# KiCad board pcb.kicad_pcb (continued)
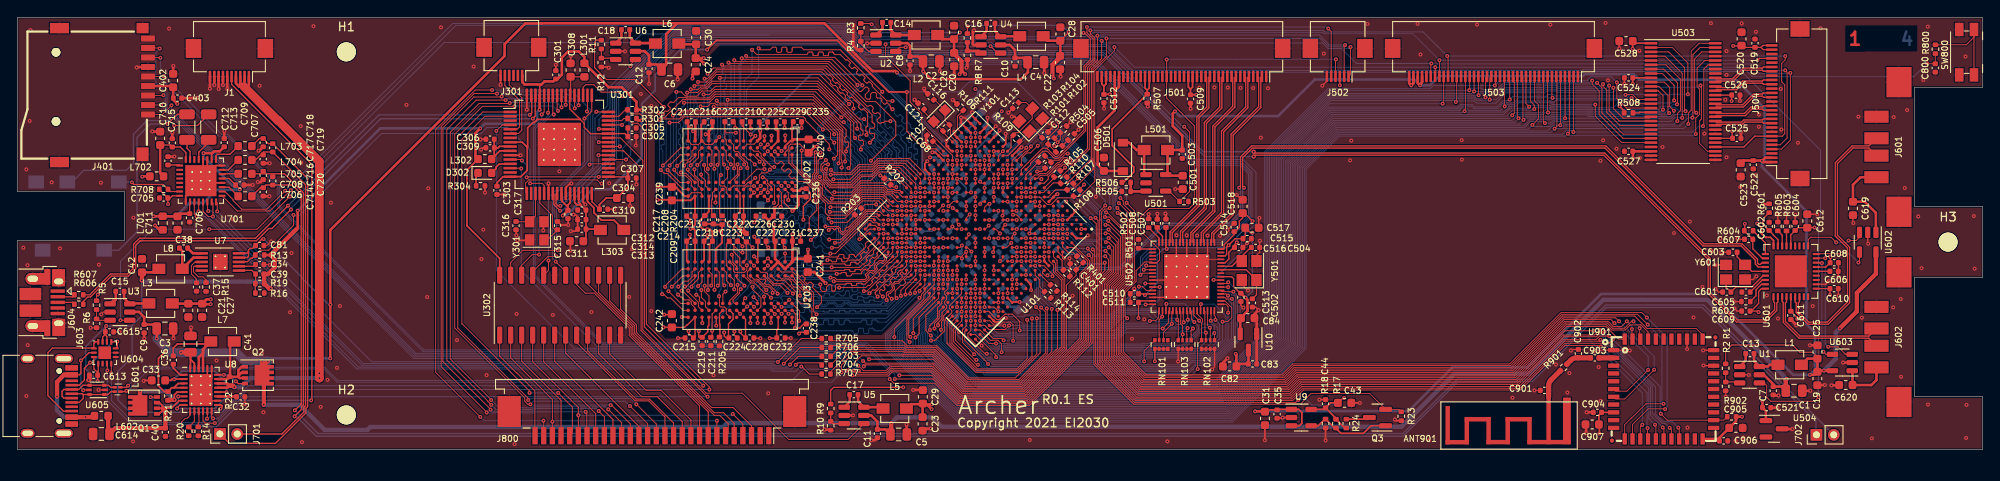
[diagram p0: board, top side]
## Routing (per net, layer and track width the routed paths; a pad name or vN(x,y) marks a point on that pad's centre or on a via; arc(x,y) is an arc through that point) (continued)
SPI_LCD_MISO: length 110.7
  Top w0.11: U301.40 69.58,35.05 v1(69.59,35.05) ; U502.23 130.47,21.2 v1(130.38,21.28)
  Bottom w0.11: v1(69.59,35.05) 69.46,35.18 69.46,41.14 75.97,47.65 95.28,47.65 97.9,45.03 124.35,45.03 136.03,33.34 141.36,33.34 142.61,32.09 142.61,26.91 139.46,23.75 132.09,23.75 130.38,22.04 v1(130.38,21.28)
SPI_LCD_MOSI: length 109.8
  Top w0.11: v1(130.11,20.79) 130.11,20.8 U502.24 ; v1(69.88,40.89) 69.43,41.34 67.44,41.34 66.58,42.2 65.64,42.2 65.35,41.91 U301.51
  Bottom w0.11: v1(130.11,20.79) 130,20.9 130,22.08 131.9,23.98 139.39,23.98 142.4,27 142.4,32 141.28,33.12 135.92,33.12 124.22,44.82 97.82,44.82 95.19,47.44 76.06,47.44 69.88,41.27 v1(69.88,40.89)
SPI_LCD_SCLK: length 109.1
  Top w0.11: v1(129.72,20.2) 129.92,20.4 U502.25 ; v1(69.84,37.54) 69.84,37.55 U301.45
  Bottom w0.11: v1(129.72,20.2) 129.72,22.24 131.72,24.24 139.35,24.24 142.19,27.08 142.19,31.91 141.22,32.88 135.86,32.88 124.18,44.56 97.78,44.56 95.1,47.23 76.14,47.23 70.45,41.54 70.45,38.15 v1(69.84,37.54)
UART1_RXD: length 118.9
  Top w0.1: v1(124.53,26.81) 124.81,26.53 124.81,22.55 124.82,22.54 124.82,20.77 123.94,19.88 123.94,12.4 116.83,5.29 108.65,5.29 105.78,8.16 v1(101.36,8.16) ; v1(60.57,38.76) 60.85,39.05 U301.60 ; U101.L3 v2(117.55,29.74)
  Bottom w0.1: v1(60.57,38.76) 60.57,38.17 59.61,37.21 59.61,20.08 67.57,12.13 97.9,12.13 101.36,8.67 v1(101.36,8.16) ; v2(117.55,29.74) 117.78,29.97 121.37,29.97 v1(124.53,26.81)
UART1_TXD: length 117.8
  Top w0.1: U101.L4 v2(117.02,29.21) ; U301.59 61.35,39.01 v1(61.3,38.96) ; v1(123.97,26.77) 124.61,26.12 124.61,22.46 124.62,22.46 124.62,20.85 123.74,19.97 123.74,12.49 116.75,5.49 108.73,5.49 105.64,8.59 v1(101.88,8.59)
  Bottom w0.1: v1(61.3,38.96) 61.3,38.61 59.81,37.13 59.81,20.16 67.65,12.32 98.14,12.32 v1(101.88,8.59) ; v2(117.02,29.21) 117.09,29.15 121.59,29.15 v1(123.97,26.77)
UART3_CTS: length 101.7
  Top w0.1: U901.41 188.35,13.6 187.54,14.42 186.3,14.42 185.72,13.83 184.16,13.83 183.56,14.43 178.88,14.43 172.96,8.51 147.89,8.51 146.69,7.31 129.77,7.31 126.35,10.72 126.35,18.86 127.62,20.12 127.62,24.85 v1(126,26.46) ; U101.M6 v2(115.43,28.68)
  Bottom w0.1: v2(115.43,28.68) 115.43,30.65 117.54,32.76 119.6,32.76 125.21,27.15 125.21,26.75 125.5,26.46 v1(126,26.46)
UART3_RTS: length 96.9
  Top w0.1: v1(125.68,25.99) 126.05,25.99 127.42,24.62 127.42,20.21 126.15,18.94 126.15,10.64 129.69,7.11 146.77,7.11 147.98,8.31 173.04,8.31 178.96,14.23 183.48,14.23 184.94,12.78 U901.44 ; U101.M5 v2(115.96,29.21)
  Bottom w0.1: v1(125.68,25.99) 125.01,26.66 125.01,27.04 119.5,32.55 117.61,32.55 116.39,31.33 116.39,30.17 115.96,29.74 v2(115.96,29.21)
UART3_RXD: length 97.9
  Top w0.1: U901.42 187.38,12.85 v1(187.38,14.03) ; v1(125.61,26.89) 126.14,26.89 127.82,25.21 127.82,20.04 126.55,18.77 126.55,10.81 129.85,7.51 146.61,7.51 147.81,8.71 172.87,8.71 178.8,14.63 183.65,14.63 184.25,14.03 185.64,14.03 186.43,14.83 v1(186.66,14.83) ; U101.M1 117.77,31.33 118.16,31.73 118.95,31.73 120.22,33 120.5,33 120.88,33.38 v1(121.05,33.38)
  Bottom w0.1: v1(121.05,33.38) 121.39,33.04 121.39,31.25 125.61,27.03 v1(125.61,26.89) ; v1(186.66,14.83) 187.38,14.11 v1(187.38,14.03)
UART3_TXD: length 98.3
  Top w0.1: v1(185.9,14.83) 185.3,14.23 184.33,14.23 183.73,14.83 178.71,14.83 172.79,8.91 147.73,8.91 146.52,7.71 129.93,7.71 126.75,10.89 126.75,18.69 128.02,19.96 128.02,25.29 125.88,27.43 v1(125.75,27.43) ; v1(121.61,33.39) 121.6,33.39 121.23,33.76 120.89,33.76 120.33,33.2 120.14,33.2 118.87,31.93 118.08,31.93 117.91,31.76 117.53,31.76 117.02,31.26 U101.M2 ; U901.43 186.49,12.84 v1(186.49,13.93)
  Bottom w0.1: v1(185.9,14.83) 186.49,14.23 v1(186.49,13.93) ; v1(121.61,33.39) 121.61,31.5 125.68,27.43 v1(125.75,27.43)
USB_HOST_DN: length 100.1
  Top w0.1: U101.A10 118.4,20.51 118.4,20.45 118.74,20.11 118.96,20.11 v1(118.99,20.14)
  Top w0.15: U601.30 201.51,21.61 201.32,21.42 201.12,21.42 200.99,21.56 200.99,22.01 199.2,23.8 194.8,23.8 183.48,35.12 142.55,35.12 141.27,33.85 141.27,30.44 v1(141.13,30.29)
  Bottom w0.15: v1(118.99,20.14) 119.93,21.08 127.28,21.08 131.75,25.55 131.75,25.55 132.38,26.17 139.95,26.17 141.28,27.5 141.28,30.13 v1(141.13,30.29)
USB_HOST_DP: length 100.6
  Top w0.1: v1(119.56,20.05) 119.56,20.29 118.59,21.26 U101.B10
  Top w0.15: v1(141.69,30.29) 141.52,30.45 141.52,33.75 142.65,34.87 183.38,34.87 194.7,23.55 199.1,23.55 200.74,21.91 200.74,21.46 201.08,21.11 U601.31
  Bottom w0.15: v1(141.69,30.29) 141.53,30.13 141.53,27.4 140.05,25.92 132.48,25.92 131.86,25.3 131.85,25.3 127.38,20.83 120.03,20.83 119.56,20.36 v1(119.56,20.05)
USB_OTG_DN: length 125.8
  Top w0.1: U101.A8 119.89,21.57 119.89,20.57 120.79,19.68 120.79,11.79 116.09,7.09 109.39,7.09 105.68,10.8 102.31,10.8 102.26,10.84 97.48,10.84 v1(95.75,9.12)
  Top w0.15: L601.1 12.6,7.2 v1(12.79,7.39)
  Bottom w0.1: v1(95.75,9.12) 95.57,9.3 90.8,9.3 89.48,7.98 37.04,7.98 35.49,9.52 14.92,9.52 v1(12.79,7.39)
USB_OTG_DP: length 126.8
  Top w0.1: v1(95.2,8.92) 95.2,9.77 96.47,11.04 102.34,11.04 102.39,11 105.77,11 109.48,7.29 116,7.29 120.59,11.87 120.59,19.59 119.69,20.48 119.69,21.31 119.15,21.86 U101.B8
  Top w0.15: L601.2 12.5,6.7 v1(12.59,6.8)
  Bottom w0.1: v1(95.2,8.92) 94.06,7.78 36.95,7.78 35.41,9.32 15.26,9.32 12.73,6.8 v1(12.59,6.8)
USB_OTG_ID: length 103.1
  Top w0.1: v1(98.38,10.45) 105.75,10.45 109.31,6.89 116.17,6.89 120.98,11.71 120.98,19.8 120.09,20.69 120.09,21.88 119.68,22.3 U101.B7 ; v1(55.32,36.86) 56.01,37.55 U301.4
  Bottom w0.1: v1(55.32,36.86) 55.32,20.71 64.31,11.73 97.1,11.73 v1(98.38,10.45)
WL_PMU_EN: length 122.5
  Top w0.1: v1(127.4,29.1) 127.74,28.76 127.74,28.39 128.82,27.31 128.82,19.61 127.55,18.35 127.55,11.22 130.27,8.51 146.18,8.51 147.38,9.71 172.46,9.71 178.4,15.64 187.13,15.64 v1(188.32,14.45) ; U901.12 185.65,2.88 186.42,3.65 186.46,3.65 188.1,5.29 v1(190.14,5.29) ; U101.T5 v2(113.31,31.86)
  Bottom w0.1: v2(113.31,31.86) 113.31,32.39 114.22,33.31 114.22,34.03 117.02,36.82 120.57,36.82 127.4,29.99 v1(127.4,29.1) ; v1(188.32,14.45) 189.95,12.82 189.95,5.48 v1(190.14,5.29)
WL_WAKE_AP: length 124.3
  Top w0.1: v1(190.32,4.67) 190.28,4.71 188.37,4.71 186.55,2.89 U901.13 ; v1(188.21,15.27) 187.63,15.85 178.32,15.85 172.38,9.91 147.3,9.91 146.1,8.71 130.35,8.71 127.75,11.3 127.75,18.24 129.02,19.51 129.02,27.65 v1(128.13,28.54) ; U101.T6 v2(112.78,31.33)
  Bottom w0.1: v1(188.21,15.27) 190.55,12.93 190.55,4.89 v1(190.32,4.67) ; v1(128.13,28.54) 128.13,29.54 120.65,37.02 116.93,37.02 114.07,34.15 114.01,34.15 112.39,32.53 112.39,32.26 112.41,32.23 112.78,31.86 v2(112.78,31.33)
Net-(ANT901-Pad1): length 3.6
  Top w0.6: R901.2 177.16,8.06 arc(176.94,7.73) 176.86,7.35 C901.2 176.86,6.07
Net-(C13-Pad1): length 4
  Top w0.3: C13.1 200.59,10.22 U1.6 201.22,9.61 202.2,9.61 202.39,9.8 L1.1
Net-(C13-Pad2): length 1.8
  Top w0.3: U1.1 199.63,10.3 C13.2
Net-(C14-Pad1): length 3.8
  Top w0.3: L2.1 U2.6 100.89,48.52 C14.1
Net-(C14-Pad2): length 1.8
  Top w0.3: C14.2 99.93,48.7 U2.1
Net-(C15-Pad1): length 4
  Top w0.3: C15.1 12.33,17.51 U3.6 13.04,16.9 L3.1
Net-(C15-Pad2): length 1.8
  Top w0.3: C15.2 11.37,17.34 11.23,17.21 11.07,17.21 U3.1
Net-(C16-Pad1): length 4.1
  Top w0.3: L4.1 113.62,47.81 U4.6 112.92,48.41 C16.1
Net-(C16-Pad2): length 1.8
  Top w0.3: C16.2 111.96,48.41 U4.1
Net-(C17-Pad1): length 4
  Top w0.3: L5.1 99.83,4.9 97.79,4.9 U5.6 97.1,5.57 C17.1
Net-(C17-Pad2): length 1.7
  Top w0.3: U5.1 96.14,5.53 C17.2
Net-(C18-Pad1): length 4.2
  Top w0.3: C18.1 70.73,47.67 U6.6 73.65,47.01 L6.1
Net-(C18-Pad2): length 1.8
  Top w0.3: U6.1 69.77,47.67 C18.2
Net-(C34-Pad2): length 2
  Top w0.15: C34.2 27.32,21.2 U7.7
Net-(C36-Pad1): length 2
  Top w0.2: U8.1 19.22,8.62 18.83,8.62 18.01,9.43 C36.1
Net-(C36-Pad2): length 11.4
  Top w0.2: L7.1 22.06,12.21 18.49,12.21 18.01,11.73 C36.2
  Top w0.3: 21.45,11.44 21.45,11.6 L7.1 ; 21.45,11.44 U8.25 ; 21.45,11.44 21.45,11.16 20.96,10.67 20.96,9.36 U8.26
Net-(C37-Pad2): length 3.9
  Top w0.1: 21,21.6 21.1,21.7 U7.3
  Top w0.11: C37.2 20.7,19.68 20.67,19.71 20.67,19.75 20.11,20.31 20.11,21.27 20.54,21.7 U7.3
Net-(C38-Pad1): length 5.3
  Top w0.3: C38.1 19.05,22.97 L8.1 20.35,22.2 U7.2
Net-(C38-Pad2): length 1.9
  Top w0.3: U7.1 21.29,22.71 20.27,22.71 C38.2
Net-(C39-Pad2): length 4.3
  Top w0.15: R16.2 27.49,18.11 R19.2 27.52,19.23 C39.2 27.09,20.73 25.63,20.73 U7.6
Net-(C65-Pad2): length 7.8
  Top w0.1: U101.AA9 v2(108.01,31.86) U101.AA10 ; U101.AA11 v2(107.48,31.33) ; U101.AA12 v2(106.95,30.8)
  Bottom w0.1: v2(107.48,31.33) v2(106.95,30.8)
  Bottom w0.13: C77.2 107.07,34.14 107.07,33.28 107.2,33.15 C65.2
  Bottom w0.2: v2(108.01,31.86) 107.94,31.86 C65.2 107.48,32.32 v2(107.48,31.33)
  Bottom w0.3: v2(108.01,31.86) 108.01,32.01 C76.2
Net-(C66-Pad2): length 2.2
  Top w0.1: U101.V3 113.31,34 v2(113.83,34.51)
  Bottom w0.11: v2(113.83,34.51) 113.83,34.53 C66.2
Net-(C67-Pad2): length 1.1
  Top w0.1: U101.H18 v2(110.66,19.67)
  Bottom w0.2: v2(110.66,19.67) 110.66,19.66 C67.2
Net-(C68-Pad2): length 1.7
  Top w0.11: C68.2 105.8,35.66 U101.AE8
Net-(C69-Pad2): length 1.4
  Top w0.1: U101.AC5 v2(109.6,35.58)
  Bottom w0.2: C69.2 109.6,35.68 v2(109.6,35.58)
Net-(C70-Pad2): length 1.5
  Top w0.1: v2(110.16,29.75) 110.15,29.74 U101.V10
  Bottom w0.3: v2(110.16,29.75) 110.16,30.46 C70.2
Net-(C78-Pad2): length 7.3
  Top w0.1: U101.Y10 v2(108.54,31.33) U101.Y9 ; U101.Y12 v2(107.48,30.27) U101.Y11
  Bottom w0.2: v2(107.48,30.27) 107.48,30.36 C78.2 108.45,31.33 v2(108.54,31.33) 109.59,30.28 109.59,29.77 C80.2 108.61,29.49 108.26,29.14
Net-(C104-Pad1): length 1.5
  Top w0.1: v2(109.1,23.6) 108.88,23.38 U101.N17
  Bottom w0.2: v2(109.1,23.6) 109.1,23.1 108.84,22.84
Net-(C106-Pad1): length 7.3
  Top w0.1: U101.AC4 v2(110.13,36.11) ; U101.AC3 v2(110.66,36.64) ; U101.AB3 v2(111.19,36.11)
  Bottom w0.1: v2(110.66,36.64) v2(111.19,36.11)
  Bottom w0.2: L101.2 110.54,38.23 C107.1 ; C107.1 C106.1 110.13,36.57 v2(110.13,36.11) ; C107.1 110.66,37.64 v2(110.66,36.64)
Net-(C110-Pad1): length 1.5
  Top w0.1: v2(111.2,28.4) 111.48,28.68 U101.R9
  Bottom w0.2: C110.1 111.2,28.6 v2(111.2,28.4)
Net-(C112-Pad1): length 6.2
  Top w0.11: C112.1 117.62,36.8 Y101.1 116.9,36.78 R109.2 115.76,35.37 114.38,33.99 U101.V2
Net-(C113-Pad1): length 8.1
  Top w0.11: C113.1 116.53,40.14 Y101.3 117.22,38.28 115.59,36.65 115.33,36.65 R109.1 114.78,36.1 114.78,34.92 U101.V1
Net-(C116-Pad1): length 6.6
  Top w0.11: C116.1 105.95,40.46 Y102.1 107.15,38.07 R111.2 107.77,37.45 107.77,36.28 108.54,35.51 U101.AD6
Net-(C117-Pad1): length 2.6
  Top w0.1: U101.H10 114.9,24.7 v2(115.2,24.99)
  Bottom w0.2: C119.1 114.53,24.99 v2(115.2,24.99) 115.2,24.52 C117.1
Net-(C118-Pad1): length 2.9
  Top w0.1: U101.J11 v2(114.37,24.44)
  Bottom w0.2: v2(114.37,24.44) 114.37,23.87 C118.1 113.24,23.54 C120.1
Net-(C121-Pad1): length 5.1
  Top w0.11: C121.1 104.74,39.05 Y102.2 105.85,37.93 R111.1 106.94,36.68 108.01,35.61 U101.AE6
Net-(C126-Pad1): length 2
  Top w0.1: U101.J9 v2(115.43,25.5)
  Bottom w0.2: v2(115.43,25.5) 115.43,25.55 C126.1
Net-(C302-Pad1): length 32.8
  Top w0.15: L301.2 63.91,43.11 C308.1 63.9,41.03 U301.54 63.8,40.93 63.8,39.41 65.48,37.73 65.48,37.27 66.21,36.53 68.26,36.53 U301.43 70.17,36.55 C302.1 C305.1
  Top w0.2: 58.9,34.96 58.31,35.55 U301.8 ; 58.9,34.96 58.94,35 58.94,37.21 59.56,37.83 59.7,37.83 60.07,38.19 64.97,38.19 65,38.21 ; 58.9,34.96 58.9,32.3 58.17,31.57 56.94,31.57 U301.16 56.92,31.55 56.08,31.55 55.4,30.87 C303.1
Net-(C306-Pad1): length 6.9
  Top w0.2: U301.9 56.9,35.07 55.7,35.07 55.53,34.9 C309.1 ; U301.10 55.74,34.55 L302.2 55.08,33.89 C309.1 ; C309.1 C306.1
Net-(C311-Pad1): length 9.7
  Top w0.2: L303.2 67.25,25.5 C313.1 ; C313.1 C314.1 C312.1 65.64,27.7 65.14,28.2 65.14,28.3 ; C313.1 65.68,24.4 C311.1 ; U301.29 64.83,29.61 64.83,28.6 65.14,28.3 ; 65.14,28.3 64.64,28.3 64.37,28.57 64.37,29.6 U301.28
Net-(C315-Pad1): length 7.3
  Top w0.11: Y301.1 61.23,24.25 C315.1 62.09,25.42 61.81,25.71 61.81,27.08 60.35,28.53 U301.20
Net-(C316-Pad1): length 5.1
  Top w0.11: C316.1 57.63,26.35 Y301.3 59.85,27.03 U301.19
Net-(C401-Pad1): length 135.4
  Top w0.1: v1(16.9,43.19) 16.86,43.15 J401.5 ; v1(97.68,10.24) 97.93,9.99 105.93,9.99 109.23,6.69 116.25,6.69 121.18,11.62 121.18,19.04 122.29,20.15 C401.1 122.29,20.82 R401.1
  Bottom w0.1: v1(97.68,10.24) 96.39,11.53 46.94,11.53 30.3,28.16 30.3,30.48 24.31,36.47 23.62,36.47 v1(16.9,43.19)
Net-(C502-Pad2): length 7
  Top w0.15: U502.62 141.93,20.8 Y501.1 143.12,17.91 C502.2
Net-(C504-Pad2): length 4.4
  Top w0.15: U502.63 140.27,21.2 142.46,23.38 C504.2
Net-(C505-Pad2): length 11.5
  Top w0.11: R505.2 125.58,29.86 124.86,30.58 v1(124.85,30.58) ; v1(121.32,34.23) 121.07,34.23 120.31,33.47 119.18,33.47 R504.1
  Bottom w0.11: v1(121.32,34.23) 121.62,34.23 124.85,31 v1(124.85,30.58)
Net-(C601-Pad2): length 6.5
  Top w0.15: U601.33 201.65,20.11 200.34,18.8 198.51,18.8 C601.2 197.36,18.77 Y601.1
Net-(C602-Pad1): length 4.9
  Top w0.15: R601.2 201.62,26.69 201.62,26.05 C602.1 202.82,24.85 202.82,24.81 203.37,24.26 203.37,23.58 U601.26
Net-(C603-Pad2): length 4.5
  Top w0.15: C603.2 198.63,22.3 Y601.3 200.31,20.61 U601.32
Net-(C605-Pad1): length 2.3
  Top w0.15: U601.34 201.54,19.61 C605.1
Net-(C606-Pad1): length 1.6
  Top w0.15: U601.14 C606.1
Net-(C706-Pad1): length 29.3
  Top w0.15: 22.73,34.5 22.45,34.22 22.45,33.55 U701.26 ; C706.1 19.9,28.6 U701.10 ; v1(25.69,30.1) 25.69,30.13 C708.1 24.47,31.35 23.65,31.35 U701.21
  Top w0.3: C706.1 18.8,27.28 C711.1 16.81,26.98 L701.1 16.8,26.98 v1(15.74,26.98) ; C707.1 23.38,34.5 22.73,34.5 22.51,34.28 v1(21.51,34.28)
  Bottom w0.3: 25.36,30.03 25.77,30.03 v1(25.69,30.1) ; 25.36,30.03 21.51,33.88 v1(21.51,34.28) ; 25.36,30.03 22.99,30.03 21.49,28.54 19.88,28.54 18.33,26.98 v1(15.74,26.98)
Net-(C709-Pad1): length 7.9
  Top w0.15: U701.32 19.47,33.57 19.47,34.34 18.81,35 C709.1 17.67,35.23 C710.1
  Top w0.3: C710.1 16.5,31.99 L702.1
Net-(C712-Pad1): length 2.4
  Top w0.15: C712.1 19.6,34.85 19.96,34.49 19.96,33.56 U701.31
Net-(C712-Pad2): length 22.5
  Top w0.15: C712.2 18.48,38.78 v2(17.35,37.65)
  Bottom w0.15: v2(17.35,37.65) 15.37,37.65 13.82,36.1 13.82,25.17 11.7,23.05 J703.T
Net-(C713-Pad1): length 2.8
  Top w0.15: C713.1 22.1,35.54 21.69,35.12 21.67,35.12 20.96,34.42 20.96,33.56 U701.29
Net-(C713-Pad2): length 22
  Top w0.15: C713.2 20.81,37.48 v2(18.11,37.48)
  Bottom w0.15: v2(18.11,37.48) 17.54,38.05 14.97,38.05 13.41,36.49 13.41,33.12 12.59,32.3 7.68,32.3 6.33,30.95 J703.R
Net-(C714-Pad2): length 223.2
  Top w0.15: v1(32.05,4.54) 32.79,5.28 32.79,29.55 31.74,30.6 C720.2 28.72,30.6 C714.2 28.07,30.28 L706.2
  Bottom w0.15: v1(32.05,4.54) 34.74,1.85 160.03,1.85 166.3,8.12 174.87,8.12 183.47,16.72 194.78,16.72 J702.2
Net-(C716-Pad2): length 223
  Top w0.15: L705.2 30.85,31.9 33.04,29.71 33.04,5.18 32.84,4.98 32.84,4.66 v1(32.02,3.84)
  Bottom w0.15: J702.1 207.74,1.76 207.74,3.29 194.59,16.43 183.54,16.43 174.97,7.87 166.4,7.87 160.07,1.54 34.52,1.54 32.22,3.84 v1(32.02,3.84)
Net-(C717-Pad2): length 43.3
  Top w0.15: L704.2 27.52,33.5 28.45,34.42 C719.2 33.29,30.63 33.29,5.07 33.09,4.87 33.09,4.33 30.55,1.8 J701.2
Net-(C718-Pad2): length 47.8
  Top w0.15: J701.1 24.49,0.71 29.82,0.71 33.34,4.23 33.34,4.77 33.54,4.97 33.54,31.34 C719.1 29,35.38 C718.2 27.97,35.98 L703.2
Net-(C902-Pad2): length 3
  Top w0.6: C902.2 180.13,10.62 arc(179.75,10.54) 179.43,10.33 R901.1 ; C903.2 180.32,10.6
Net-(C903-Pad1): length 1.7
  Top w0.6: U901.2 C903.1
Net-(D302-Pad1): length 1.6
  Top w0.2: R304.1 52.99,31.78 D302.1
Net-(D501-Pad2): length 5.7
  Top w0.3: D501.2 128.42,35.5 129.27,34.65 L501.2 130.15,32.01 U501.1
Net-(J603-PadA5): length 9.7
  Top w0.15: U604.10 11.55,11.88 v1(11.55,12.5) 11.51,12.46 U604.11 ; J603.A5 7.16,7.45 7.74,8.03 7.74,9.39 v1(8.4,10.05)
  Bottom w0.15: v1(8.4,10.05) 8.63,10.05 11.08,12.5 v1(11.55,12.5)
Net-(J603-PadB5): length 15.2
  Top w0.15: U604.14 8.99,12.46 8.84,12.31 U604.1 8.8,11.74 4.06,11.74 3.53,11.21 3.53,6.23 5.33,4.43 6.26,4.43 J603.B5
Net-(J604-Pad2): length 2
  Top w0.15: R607.1 6.36,17.67 4.67,17.67 J604.2
Net-(J604-Pad3): length 2
  Top w0.15: R606.1 6.37,17.03 J604.3
Net-(J703-PadTN): length 7.5
  Top w0.15: U701.7 17.66,29.85 R708.2 16.85,30.66 13.47,30.66 v2(13.23,30.9)
  Bottom w0.15: J703.TN 13.18,30.95 v2(13.23,30.9)
Net-(L7-Pad2): length 10.3
  Top w0.3: Q2.3 25.67,8.28 25.53,8.41 ; 25.53,8.41 25.53,8.52 ; 25.53,8.41 R22.2 ; 25.53,8.52 25.53,9.2 25.91,9.58 Q2.1 ; 25.53,8.52 25.93,8.93 Q2.2 ; R22.2 24.24,8.15 U8.21 ; R22.2 24.57,8.48 24.57,12.02 L7.2
Net-(L303-Pad1): length 6.8
  Top w0.2: U301.31 65.85,28.71 66.6,27.96 66.6,27.4 67.46,26.54 68.91,26.54 L303.1
Net-(L703-Pad1): length 3.5
  Top w0.15: U701.25 22.95,33.55 22.95,34.01 23.1,34.16 24.57,34.16 24.9,34.49 24.9,34.49 L703.1
Net-(L704-Pad1): length 2.4
  Top w0.15: 24.36,32.35 23.65,32.35 U701.23 ; 24.36,32.35 L704.1 ; 24.36,32.35 24.34,32.35
Net-(L705-Pad1): length 1.9
  Top w0.15: L705.1 24.06,31.9 24.03,31.86 23.66,31.86 U701.22
Net-(L706-Pad1): length 2.3
  Top w0.15: U701.19 23.65,30.35 24.46,30.35 L706.1
Net-(Q1-Pad4): length 5.8
  Top w0.11: v1(15.41,6.06) 16.11,6.06 Q1.4 ; U8.6 18.6,6.15 v1(18.58,6.13)
  Bottom w0.11: v1(15.41,6.06) 16.31,5.16 18.39,5.16 18.59,5.36 18.59,6.12 v1(18.58,6.13)
Net-(Q1-Pad5): length 8.6
  Top w0.2: U8.5 18.46,6.65 18.13,6.32 v1(18.13,5.75)
  Top w0.5: v1(14.19,6.76) 14.16,6.73 Q1.5 ; v1(18.13,5.75) 17.46,5.75 R21.2
  Bottom w0.5: v1(18.13,5.75) 17.12,6.76 v1(14.19,6.76)
Net-(Q2-Pad4): length 3.6
  Top w0.15: U8.22 23.16,8.64 v1(23.86,8.64) ; Q2.4 25.51,7.63 v1(25.24,7.89)
  Bottom w0.15: v1(25.24,7.89) 24.49,8.64 v1(23.86,8.64)
Net-(Q3-Pad1): length 10
  Top w0.2: U9.4 150.26,2.75 151.03,3.52 R18.1 152.13,2.49 R17.2 152.3,2.45 152.88,1.86 155.46,1.86 156.35,2.75 Q3.1
Net-(Q3-Pad3): length 2.7
  Top w0.2: Q3.3 155.97,3.51 R24.2
Net-(R1-Pad1): length 2.8
  Top w0.13: R1.1 R2.2 198.82,7.81 U1.3
Net-(R3-Pad1): length 3.4
  Top w0.13: R3.1 97.42,48.26 R4.2 97.42,46.95 98.32,46.05 U2.3
Net-(R5-Pad1): length 2.7
  Top w0.11: R5.1 R6.2 9.31,14.95 U3.3
Net-(R7-Pad1): length 2.7
  Top w0.3: U4.3 111.04,46.12 R8.2 R7.1
Net-(R10-Pad2): length 2.7
  Top w0.15: R9.1 R10.2 94.2,2.99 U5.3
Net-(R11-Pad1): length 2.8
  Top w0.13: U6.3 68.96,45.27 R12.2 R11.1
Net-(R14-Pad1): length 1.9
  Top w0.11: R14.1 20.9,3.04 20.98,3.12 20.98,4.42 U8.11
Net-(R15-Pad2): length 3.7
  Top w0.11: R15.2 21.8,19.62 21.44,19.98 20.92,19.98 20.35,20.55 20.35,21.1 20.46,21.21 21.29,21.21 U7.4
Net-(R20-Pad2): length 3.7
  Top w0.11: U8.9 19.95,3.96 19.59,3.6 19.39,3.6 18.96,3.16 18.96,2.43 R20.2
Net-(R101-Pad1): length 10.6
  Top w0.1: R101.1 R102.2 120.67,35.12 v1(119.79,35.12) ; U101.P5 v2(114.37,30.8)
  Bottom w0.1: v1(119.79,35.12) 119.23,35.12 114.91,30.8 v2(114.37,30.8)
Net-(R103-Pad1): length 9.8
  Top w0.1: v1(120.16,35.54) 120.47,35.85 R104.2 R103.1 ; U101.P4 v2(114.9,31.33)
  Bottom w0.1: v2(114.9,31.33) 119.11,35.54 v1(120.16,35.54)
Net-(R106-Pad2): length 3.1
  Top w0.11: R106.2 108.57,38.55 108.57,37.13 U101.AE4
Net-(R112-Pad1): length 1.8
  Top w0.11: R112.1 120.67,20.93 120.67,21.85 U101.A7
Net-(R113-Pad1): length 2.9
  Top w0.1: U101.B11 117.55,20.18 118.09,19.64 118.09,18.81 R113.1
Net-(R114-Pad1): length 1.7
  Top w0.1: R114.1 118.2,20.2 U101.A11
Net-(R115-Pad2): length 1.7
  Top w0.1: U101.AA13 v2(106.42,30.27)
  Bottom w0.2: 106.34,29.14 106.42,29.22 v2(106.42,30.27)
Net-(R201-Pad2): length 1.8
  Top w0.1: U101.AB13 v2(105.89,30.8)
  Bottom w0.1: R201.2 104.8,30.8 v2(105.89,30.8)
Net-(R204-Pad1): length 3.3
  Top w0.11: R204.1 81.1,27.34 81.1,29.72 U202.L8
Net-(R205-Pad1): length 3.3
  Top w0.15: R205.1 81.15,13.06 81.15,14.48 81.1,14.54 81.1,15.72 U203.L8
Net-(R501-Pad2): length 1.7
  Top w0.15: U502.18 129.59,23.2 R501.2
Net-(R502-Pad2): length 2.2
  Top w0.15: R502.2 131.87,24.46 U502.17
Net-(R505-Pad1): length 2.8
  Top w0.3: U501.3 130.32,29.86 R505.1 128.59,30.9 R506.2
Net-(R508-Pad2): length 2.1
  Top w0.15: U503.17 188.67,39.01 187.39,39.01 187.33,38.95 R508.2
Net-(R602-Pad1): length 3
  Top w0.15: U601.35 201.45,19.11 200.82,18.49 200.82,17.79 R602.1
Net-(R603-Pad1): length 1.7
  Top w0.15: U601.24 R603.1
Net-(R604-Pad1): length 3.3
  Top w0.15: R604.1 201.9,23.9 U601.28
Net-(R605-Pad1): length 2
  Top w0.15: U601.25 203.84,24.8 R605.1
Net-(R703-Pad2): length 82.3
  Top w0.11: v1(89.25,9.83) 90.2,10.78 R703.2 ; U701.15 22.59,28.51 v1(22.59,26.95) 22.05,26.95 21.45,27.55 U701.13
  Bottom w0.11: v1(22.59,26.95) 39.81,9.74 87.15,9.74 87.35,9.54 88.96,9.54 v1(89.25,9.83)
Net-(R704-Pad2): length 81
  Top w0.11: U701.12 20.95,27.57 v1(20.94,27.56) ; R704.2 92.66,10.03 90.15,10.03 v1(89.92,9.8)
  Bottom w0.11: v1(20.94,27.56) 21.37,27.56 39.4,9.53 87.06,9.53 87.26,9.33 89.45,9.33 v1(89.92,9.8)
Net-(R705-Pad2): length 79.3
  Top w0.11: v1(87.84,10.13) 90.55,12.84 R705.2 ; v1(23.09,27.54) 23.09,28.51 U701.16
  Bottom w0.11: v1(23.09,27.54) 28.84,21.79 29.3,21.79 40.93,10.16 87.81,10.16 v1(87.84,10.13)
Net-(R706-Pad2): length 80.3
  Top w0.11: v1(88.53,9.92) 90.41,11.8 R706.2 ; v1(22.06,27.59) 21.96,27.68 21.96,28.64 U701.14
  Bottom w0.11: v1(22.06,27.59) 22.5,27.59 28.74,21.35 28.74,21.15 39.95,9.95 87.23,9.95 87.44,9.75 88.35,9.75 v1(88.53,9.92)
Net-(R707-Pad2): length 82
  Top w0.11: U701.11 20.44,28.64 20.44,27.25 v1(20.72,26.97) ; v1(90.55,9.59) 90.62,9.59 91.48,8.73 R707.2
  Bottom w0.11: v1(90.55,9.59) 90.44,9.59 89.91,9.06 87.23,9.06 86.97,9.32 39.21,9.32 27.48,21.05 27.48,21.15 21.66,26.97 v1(20.72,26.97)
Net-(R800-Pad1): length 11
  Top w0.11: R800.1 225.11,46.82 225.99,47.7 SW800.1 SW800.1

## Copper pours and planes (outline as drawn; the poured copper is in the pictures)
+1V0 on In2.Cu: 120.03,43.65 120.43,42.95 118.43,31.65 121.63,27.45 122.63,24.25 121.03,21.45 116.83,18.65 112.63,18.65 111.83,17.85 110.43,17.85 109.43,18.65 107.43,18.65 107.03,19.45 106.03,23.05 105.83,25.75 106.23,28.25 107.23,29.25 108.43,29.05 108.43,27.25 109.43,21.25 110.03,20.65 110.83,20.85 116.43,20.25 119.63,22.85 119.03,25.65 114.23,30.25 114.23,32.25 117.83,43.25 118.83,43.65
+1V8 on In2.Cu: 114.43,39.25 114.23,37.85 111.23,30.45 112.23,27.65 113.63,26.45 114.63,26.85 115.03,26.45 115.03,26.05 114.63,25.65 110.63,21.05 110.03,20.85 109.63,21.25 109.63,21.85 111.83,24.05 111.83,25.05 109.83,31.05 112.43,38.85 108.63,43.05 108.33,43.95 108.53,45.15 111.93,45.15
+1V8 on In2.Cu: 144.13,44.25 144.13,39.35 140.93,36.15 140.93,27.45 143.13,26.55 143.93,23.05 143.93,11.55 141.73,9.05 133.63,9.05 132.23,10.65 129.83,10.65 128.03,12.45 128.03,17.65 129.43,19.25 129.43,27.65 130.23,28.45 135.23,28.45 135.93,29.15 135.93,38.55 128.73,45.15 108.53,45.15 110.03,46.85 135.33,46.85
+1V35 on In2.Cu: 104.33,37.45 104.33,32.55 105.63,31.35 106.13,29.35 105.55,25.86 105.93,20.45 105.73,19.15 99.73,13.25 90.73,13.25 89.83,12.35 75.53,12.35 73.63,14.25 73.63,39.25 78.63,44.25 78.63,45.45 79.63,46.65 94.93,46.65
+3V3 on In2.Cu: 144.63,44.45 135.43,47.05 109.83,47.05 108.23,45.25 108.03,44.05 108.43,43.05 112.23,38.85 109.63,31.05 111.63,25.05 111.63,24.25 109.43,22.05 108.63,27.25 108.63,29.25 105.83,31.65 104.63,32.65 104.63,37.45 95.03,47.05 79.43,47.05 78.23,45.65 78.23,44.45 73.23,39.45 73.23,50.25 144.63,50.25
+3V3 on In2.Cu: 227.23,-0.15 182.03,-0.15 182.03,5.05 185.83,5.05 185.83,12.05 179.23,12.05 173.83,6.65 165.63,6.65 158.83,-0.15 73.23,-0.15 73.23,14.05 75.23,12.05 89.83,12.05 90.83,13.05 101.83,13.05 101.83,5.45 103.03,4.25 109.63,4.25 117.43,12.05 117.43,15.85 115.03,18.45 116.83,18.45 121.23,21.25 122.83,24.25 121.83,27.45 118.63,31.65 120.83,43.05 120.23,43.85 118.63,43.85 117.63,43.45 114.03,32.45 114.03,30.05 118.63,25.65 119.23,22.85 116.43,20.45 110.83,21.05 115.23,26.05 115.23,26.65 114.83,27.05 114.43,27.05 113.63,26.65 112.43,27.65 111.43,30.45 114.63,37.85 114.83,39.05 112.43,44.85 128.43,44.85 135.63,38.45 135.63,29.25 135.03,28.65 130.03,28.65 129.23,27.85 129.23,19.45 127.83,17.85 127.83,12.25 129.63,10.45 132.03,10.45 133.43,8.85 142.03,8.85 144.23,11.25 144.23,23.05 143.43,26.85 141.23,27.65 141.23,36.05 144.43,39.25 144.63,50.25 227.23,50.25
+3V3 on In2.Cu: 73.23,-0.15 -0.17,-0.15 -0.17,50.25 73.23,50.25
/power/1V0_ARM on In2.Cu: 110.23,17.65 112.03,17.65 112.83,18.45 114.63,18.45 117.23,15.85 117.23,12.05 109.63,4.45 103.03,4.45 102.03,5.45 102.03,13.25 107.43,18.45 109.23,18.45
GND on Top, Bottom, In1.Cu: 227.83,-0.75 -0.57,-0.75 -0.57,50.65 227.83,50.65

## Text on the board
Bottom: 4
User.Comments: Reserved Area / for M.2 SSD | Reserved Area for / {dblquote}Caster{dblquote} EPDC
Top: 1
F.Silkscreen: Copyright 2021 EI2030 | R0.1 ES | Archer
In1.Cu: 2
In2.Cu: 3
